# Altium PCB UmTRXv21.PcbDoc (part 14 of 19) (continued)
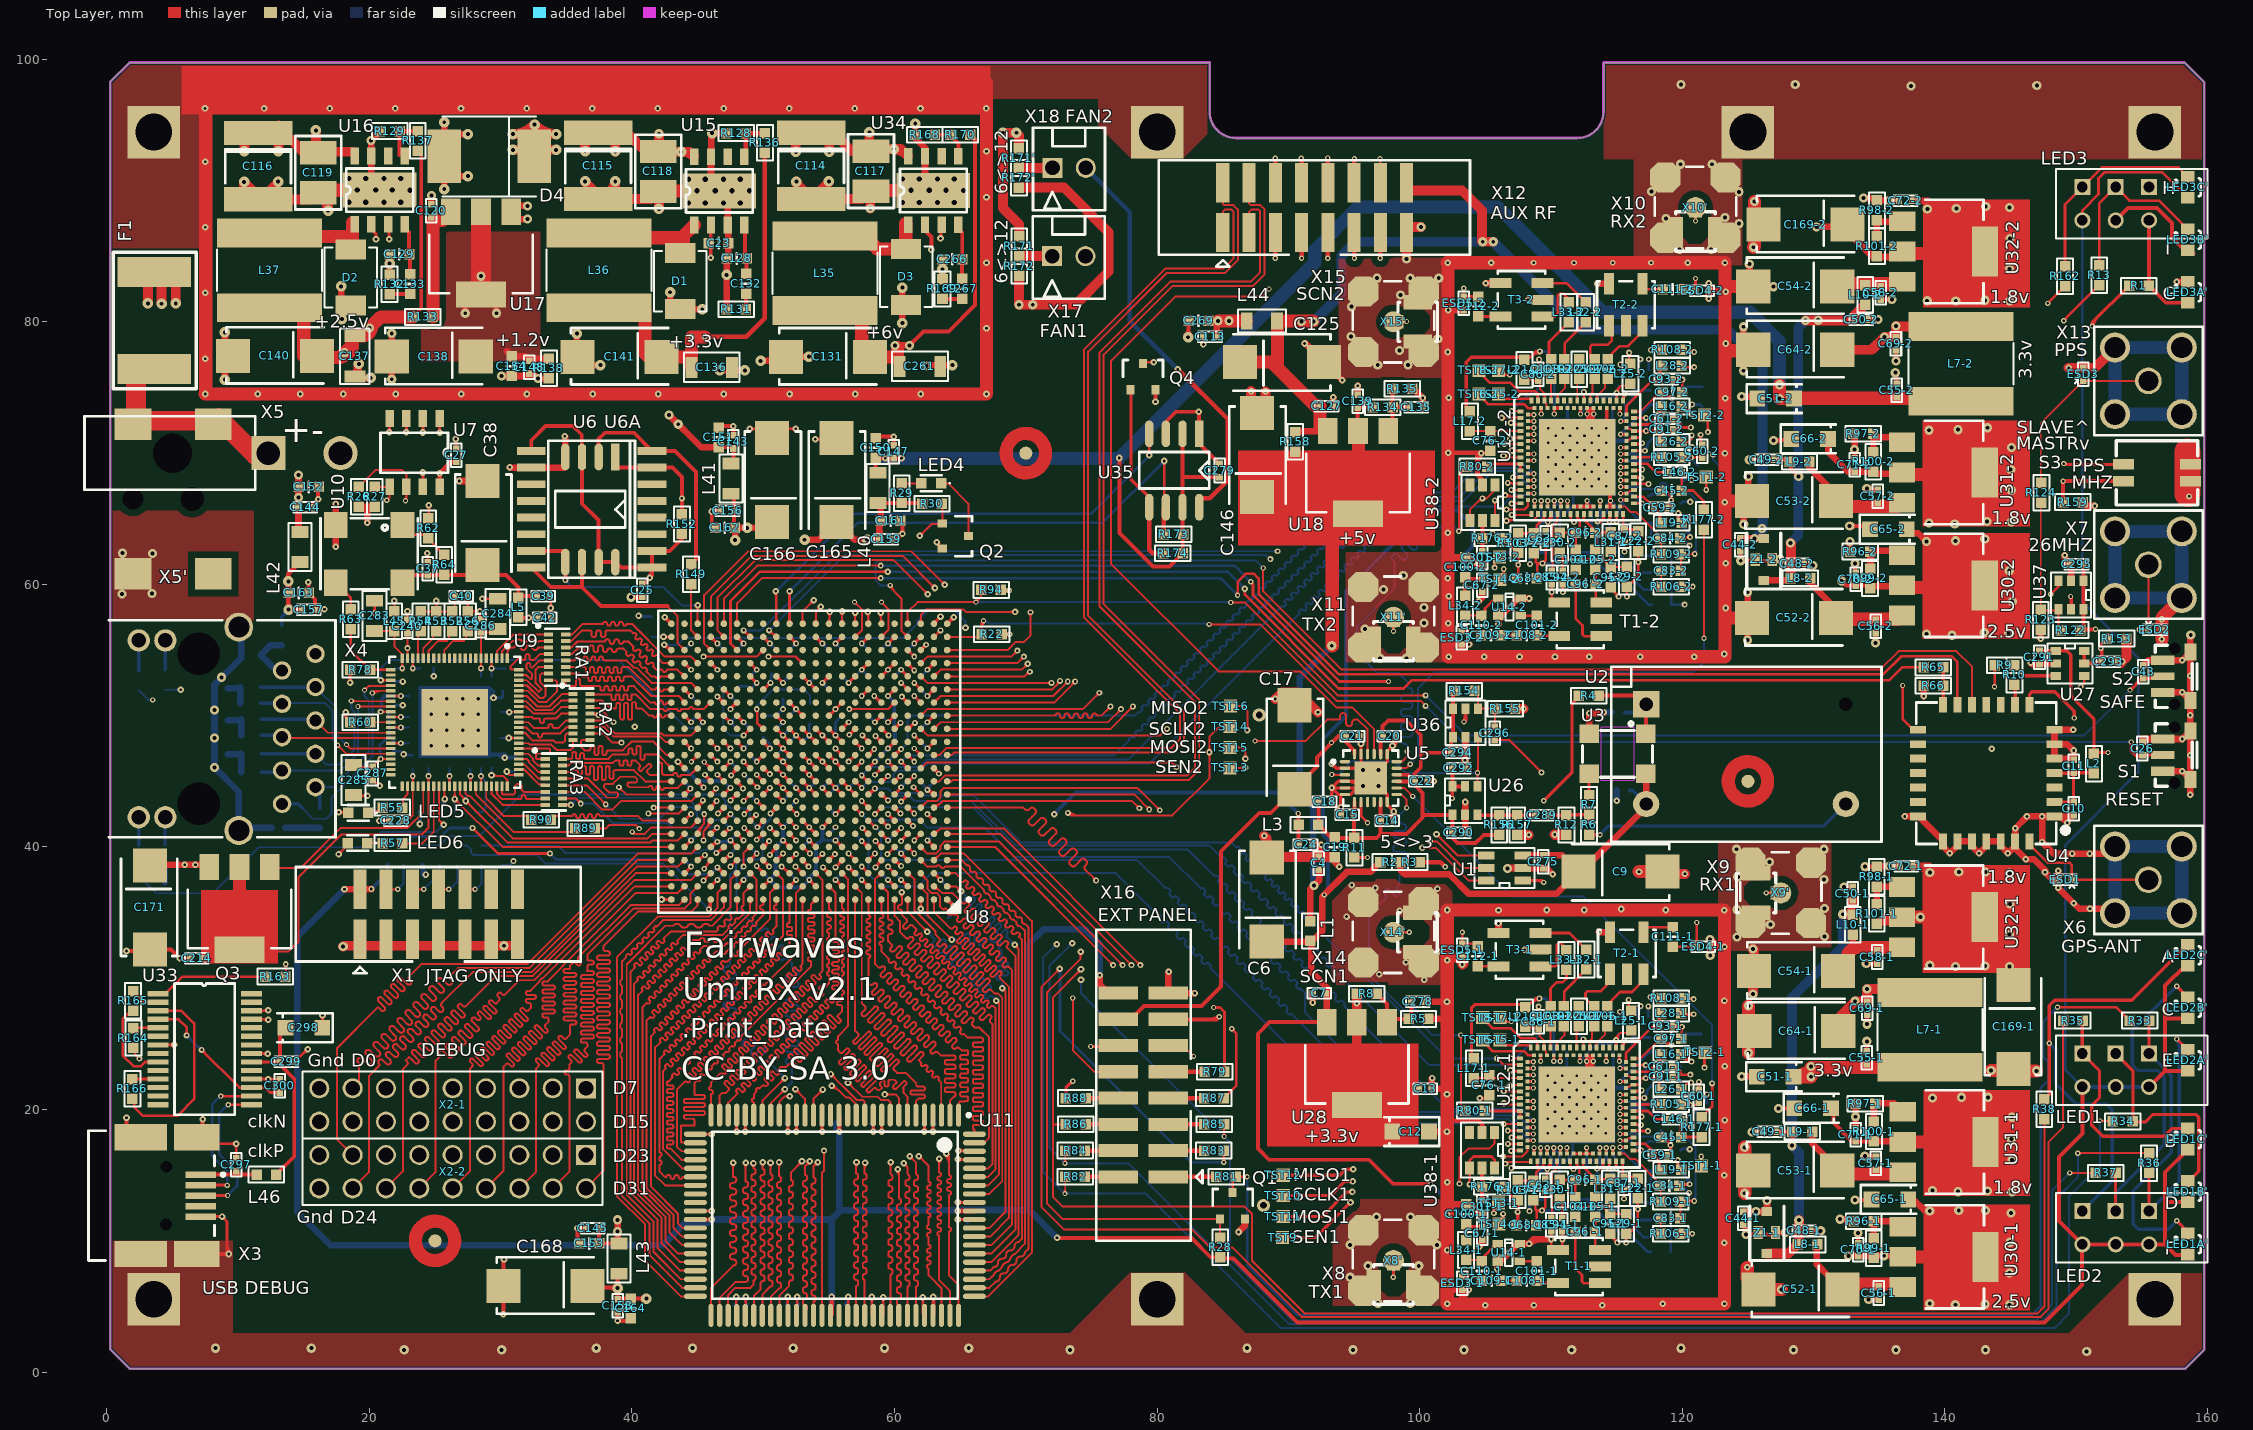
[diagram p0: Top Layer view]
## Nets (pads, with @x,y where several pads share a name; then routed paths per layer and width w, separated by ;. In a path a pad name is that pad's centre, name@x,y a point inside that pad or via, vN(x,y) a via of type N, cw(c..) or ccw(c..) an arc to the next point about the centre after c; other vN are vias at no path point) (continued)
RAM_D33: U8.B10 U11.28 | length 40.5
  Top Layer w0.15: U11.28@47.325,19.575 47.325,20.525 ; 48.812,22.196 cw(c48.897,22.281) 48.812,22.365 48.854,22.408 cw(c48.939,22.323) 49.024,22.408 49.208,22.224 ccw(c49.293,22.309) 49.378,22.224 49.42,22.266 ccw(c49.335,22.351) 49.42,22.436 49.236,22.62 cw(c49.321,22.705) 49.236,22.79 ; 48.812,22.196 48.904,22.104 48.996,22.012 cw(c48.911,21.927) 48.996,21.842 48.953,21.8 cw(c48.869,21.885) 48.784,21.8 48.6,21.984 ccw(c48.515,21.899) 48.43,21.984 48.388,21.941 ccw(c48.473,21.856) 48.388,21.772 48.572,21.588 cw(c48.487,21.503) 48.572,21.418 48.529,21.376 cw(c48.444,21.46) 48.359,21.376 48.176,21.559 ccw(c48.091,21.475) 48.006,21.56 47.963,21.517 ccw(c48.048,21.432) 47.963,21.347 48.055,21.255 47.546,20.746 ; 49.236,22.79 49.279,22.832 cw(c49.363,22.747) 49.448,22.832 ; 49.448,22.832 49.54,22.74 49.632,22.648 ; 49.632,22.648 ccw(c49.717,22.733) 49.802,22.648 ; 49.802,22.648 49.844,22.691 ccw(c49.759,22.776) 49.844,22.86 ; 49.844,22.86 49.66,23.044 cw(c49.745,23.129) 49.66,23.214 49.703,23.256 cw(c49.788,23.172) 49.872,23.257 49.965,23.165 50.056,23.073 ; 50.057,23.072 ccw(c50.141,23.157) 50.226,23.073 50.269,23.115 ; 50.269,23.115 ccw(c50.184,23.2) 50.269,23.285 50.085,23.469 cw(c50.17,23.553) 50.085,23.638 50.127,23.681 cw(c50.212,23.596) 50.297,23.681 ; 50.297,23.681 50.481,23.497 ccw(c50.566,23.582) 50.65,23.497 50.693,23.539 ccw(c50.608,23.624) 50.693,23.709 50.601,23.801 50.509,23.893 ; 50.509,23.893 cw(c50.594,23.978) 50.509,24.063 50.551,24.105 cw(c50.636,24.02) 50.721,24.105 50.905,23.921 ccw(c50.99,24.006) 51.075,23.921 51.117,23.964 ccw(c51.032,24.048) 51.117,24.133 50.933,24.317 cw(c51.018,24.402) 50.933,24.487 50.976,24.529 cw(c51.061,24.444) 51.145,24.529 51.329,24.345 ccw(c51.414,24.43) 51.499,24.345 51.541,24.388 ccw(c51.457,24.473) 51.542,24.557 51.358,24.741 cw(c51.442,24.826) 51.358,24.911 51.4,24.953 cw(c51.485,24.869) 51.569,24.954 51.662,24.862 51.753,24.77 ccw(c51.838,24.854) 51.923,24.77 51.966,24.812 ccw(c51.881,24.897) 51.966,24.982 51.782,25.166 cw(c51.867,25.25) 51.782,25.335 51.824,25.378 cw(c51.909,25.293) 51.994,25.378 52.178,25.194 ccw(c52.263,25.279) 52.347,25.194 52.39,25.236 ccw(c52.305,25.321) 52.39,25.406 52.298,25.498 52.206,25.59 cw(c52.291,25.675) 52.206,25.759 52.248,25.802 cw(c52.333,25.717) 52.418,25.802 52.602,25.618 ccw(c52.687,25.703) 52.772,25.618 52.814,25.661 ; 52.814,25.661 ccw(c52.729,25.745) 52.814,25.83 52.722,25.922 52.63,26.014 cw(c52.715,26.099) 52.63,26.184 52.673,26.226 cw(c52.758,26.141) 52.842,26.226 53.026,26.042 ccw(c53.111,26.127) 53.196,26.042 ; 53.196,26.042 53.238,26.085 ccw(c53.154,26.17) 53.239,26.254 53.055,26.438 cw(c53.139,26.523) 53.054,26.608 53.097,26.651 cw(c53.182,26.566) 53.267,26.651 53.359,26.559 53.451,26.467 ccw(c53.535,26.552) 53.62,26.467 53.663,26.509 ccw(c53.578,26.594) 53.663,26.679 53.479,26.863 cw(c53.564,26.948) 53.479,27.032 53.521,27.075 cw(c53.606,26.99) 53.691,27.075 53.875,26.891 ccw(c53.96,26.976) 54.044,26.891 54.087,26.933 ccw(c54.002,27.018) 54.087,27.103 53.995,27.195 53.903,27.287 cw(c53.988,27.372) 53.903,27.456 53.946,27.499 cw(c54.03,27.414) 54.115,27.499 54.299,27.315 ccw(c54.384,27.4) 54.469,27.315 54.511,27.358 ccw(c54.426,27.442) 54.511,27.527 54.419,27.619 54.327,27.711 cw(c54.412,27.796) 54.327,27.881 54.37,27.923 cw(c54.455,27.838) 54.539,27.923 54.723,27.739 ccw(c54.808,27.824) 54.893,27.739 54.935,27.782 ccw(c54.851,27.867) 54.936,27.951 54.752,28.135 cw(c54.836,28.22) 54.751,28.305 54.794,28.348 cw(c54.879,28.263) 54.964,28.348 55.056,28.256 55.148,28.164 ccw(c55.232,28.249) 55.317,28.164 55.36,28.206 ccw(c55.275,28.291) 55.36,28.376 55.353,28.383 cw(c55.438,28.468) 55.353,28.553 55.5,28.7 55.5,29.03 ccw(c55.38,29.03) 55.38,29.15 55.37,29.15 cw(c55.37,29.27) 55.25,29.27 55.25,29.33 cw(c55.37,29.33) 55.37,29.45 55.63,29.45 ccw(c55.63,29.57) 55.75,29.57 55.75,29.63 ccw(c55.63,29.63) 55.63,29.75 55.37,29.75 cw(c55.37,29.87) 55.25,29.87 55.25,29.93 cw(c55.37,29.93) 55.37,30.05 55.63,30.05 ccw(c55.63,30.17) 55.75,30.17 55.75,30.23 ccw(c55.63,30.23) 55.63,30.35 55.37,30.35 cw(c55.37,30.47) 55.25,30.47 55.25,30.53 cw(c55.37,30.53) 55.37,30.65 55.63,30.65 ccw(c55.63,30.77) 55.75,30.77 55.75,30.83 ccw(c55.63,30.83) 55.63,30.95 55.37,30.95 cw(c55.37,31.07) 55.25,31.07 55.25,31.13 cw(c55.37,31.13) 55.37,31.25 55.63,31.25 ccw(c55.63,31.37) 55.75,31.37 55.75,31.43 ccw(c55.63,31.43) 55.63,31.55 55.37,31.55 cw(c55.37,31.67) 55.25,31.67 55.25,31.73 cw(c55.37,31.73) 55.37,31.85 55.63,31.85 ccw(c55.63,31.97) 55.75,31.97 55.75,32.03 ccw(c55.63,32.03) 55.63,32.15 55.37,32.15 cw(c55.37,32.27) 55.25,32.27 55.25,32.33 cw(c55.37,32.33) 55.37,32.45 55.63,32.45 ccw(c55.63,32.57) 55.75,32.57 55.75,32.63 ccw(c55.63,32.63) 55.63,32.75 55.37,32.75 cw(c55.37,32.87) 55.25,32.87 55.25,32.93 cw(c55.37,32.93) 55.37,33.05 55.38,33.05 ccw(c55.38,33.17) 55.5,33.17 55.5,36.5 U8.B10@55,37 ; U8.B10@55,36.825 cw(c55,36.403) 55.299,36.701 cw(c55.597,37) U8.B10@55.175,37 ; 47.325,20.525 47.546,20.746 ; 47.325,20.525 47.546,20.746
RAM_D34: U8.A10 U11.29 | length 40.1
  Top Layer w0.15: U11.29@46.675,19.575 46.675,21.075 46.85,21.25 47.125,21.25 47.375,21.5 47.375,21.636 47.078,21.933 cw(c47.163,22.017) 47.078,22.102 47.12,22.145 cw(c47.205,22.06) 47.29,22.145 47.417,22.017 47.545,21.89 ; 47.545,21.89 ccw(c47.63,21.975) 47.714,21.89 47.757,21.933 ccw(c47.672,22.017) 47.757,22.102 ; 47.757,22.102 47.63,22.23 47.502,22.357 cw(c47.587,22.442) 47.502,22.526 47.545,22.569 cw(c47.63,22.484) 47.714,22.569 47.969,22.314 ccw(c48.054,22.399) 48.139,22.314 48.181,22.357 ccw(c48.096,22.442) 48.181,22.526 48.054,22.654 47.927,22.781 cw(c48.011,22.866) 47.927,22.951 47.969,22.993 cw(c48.054,22.908) 48.139,22.993 48.393,22.739 ccw(c48.478,22.824) 48.563,22.739 48.605,22.781 ccw(c48.521,22.866) 48.606,22.951 48.351,23.205 cw(c48.436,23.29) 48.351,23.375 48.393,23.418 cw(c48.478,23.333) 48.563,23.418 48.69,23.29 48.818,23.163 ccw(c48.902,23.248) 48.987,23.163 49.03,23.205 ccw(c48.945,23.29) 49.03,23.375 48.775,23.63 ; 48.775,23.63 cw(c48.86,23.715) 48.775,23.799 48.818,23.842 cw(c48.902,23.757) 48.987,23.842 ; 48.987,23.842 49.115,23.715 49.242,23.587 ccw(c49.327,23.672) 49.412,23.587 49.454,23.63 ccw(c49.369,23.715) 49.454,23.799 49.199,24.054 ; 49.199,24.054 cw(c49.284,24.139) 49.199,24.224 49.242,24.266 cw(c49.327,24.181) 49.411,24.266 ; 49.411,24.266 49.666,24.011 ccw(c49.751,24.096) 49.836,24.011 49.878,24.054 ccw(c49.793,24.139) 49.878,24.223 49.751,24.351 49.624,24.478 ; 49.623,24.478 cw(c49.708,24.563) 49.624,24.648 49.666,24.69 cw(c49.751,24.605) 49.836,24.69 ; 49.836,24.69 50.09,24.436 ccw(c50.175,24.521) 50.26,24.436 50.302,24.478 ccw(c50.218,24.563) 50.303,24.648 50.175,24.775 50.048,24.902 ; 50.048,24.903 cw(c50.133,24.987) 50.048,25.072 50.09,25.115 cw(c50.175,25.03) 50.26,25.115 ; 50.26,25.115 50.387,24.987 50.515,24.86 ccw(c50.599,24.945) 50.684,24.86 50.727,24.902 ccw(c50.642,24.987) 50.727,25.072 50.472,25.327 cw(c50.557,25.412) 50.472,25.496 50.515,25.539 cw(c50.599,25.454) 50.684,25.539 50.812,25.412 50.939,25.284 ccw(c51.024,25.369) 51.109,25.284 51.151,25.327 ccw(c51.066,25.412) 51.151,25.496 50.896,25.751 cw(c50.981,25.836) 50.896,25.921 50.939,25.963 cw(c51.024,25.878) 51.108,25.963 51.363,25.709 ccw(c51.448,25.793) 51.533,25.709 51.575,25.751 ccw(c51.49,25.836) 51.575,25.921 51.448,26.048 51.321,26.175 cw(c51.406,26.26) 51.321,26.345 51.363,26.387 cw(c51.448,26.303) 51.533,26.388 51.787,26.133 ; 51.788,26.133 ccw(c51.872,26.218) 51.957,26.133 52,26.175 ccw(c51.915,26.26) 52,26.345 ; 52,26.345 51.872,26.472 51.745,26.6 cw(c51.83,26.684) 51.745,26.769 51.787,26.812 cw(c51.872,26.727) 51.957,26.812 52.084,26.684 52.212,26.557 ccw(c52.296,26.642) 52.381,26.557 52.424,26.6 ccw(c52.339,26.684) 52.424,26.769 ; 52.424,26.769 52.169,27.024 cw(c52.254,27.109) 52.169,27.193 52.212,27.236 cw(c52.296,27.151) 52.381,27.236 52.509,27.109 52.636,26.981 ccw(c52.721,27.066) 52.806,26.981 52.848,27.024 ccw(c52.763,27.109) 52.848,27.193 52.593,27.448 cw(c52.678,27.533) 52.593,27.618 52.636,27.66 cw(c52.721,27.575) 52.806,27.66 52.933,27.533 53.06,27.406 ccw(c53.145,27.49) 53.23,27.406 53.272,27.448 ccw(c53.187,27.533) 53.272,27.618 53.145,27.745 53.018,27.872 cw(c53.103,27.957) 53.018,28.042 53.06,28.084 cw(c53.145,28) 53.23,28.085 53.484,27.83 ccw(c53.569,27.915) 53.654,27.83 53.697,27.872 ccw(c53.612,27.957) 53.697,28.042 ; 53.697,28.042 53.569,28.169 53.442,28.297 cw(c53.527,28.381) 53.442,28.466 53.484,28.509 cw(c53.569,28.424) 53.654,28.509 53.909,28.254 ; 53.909,28.254 ccw(c53.994,28.339) 54.078,28.254 54.121,28.297 ccw(c54.036,28.381) 54.121,28.466 ; 54.121,28.466 53.866,28.721 cw(c53.951,28.806) 53.866,28.89 53.909,28.933 cw(c53.994,28.848) 54.078,28.933 54.206,28.806 54.333,28.678 ccw(c54.418,28.763) 54.503,28.678 54.545,28.721 ccw(c54.46,28.806) 54.545,28.89 54.291,29.145 cw(c54.375,29.23) 54.291,29.315 54.333,29.357 cw(c54.418,29.272) 54.503,29.357 54.545,29.315 ccw(c54.63,29.4) 54.715,29.315 55,29.6 55,30.225 cw(c55,30.375) 55,30.525 55,30.825 cw(c55,30.975) 55,31.125 55,31.425 cw(c55,31.575) 55,31.725 55,32.2 cw(c55,32.35) 55,32.5 55,32.8 cw(c55,32.95) 55,33.1 55,33.45 cw(c55,33.6) 55,33.75 ccw(c55,33.9) 55,34.05 cw(c55,34.2) 55,34.35 ccw(c55,34.5) 55,34.65 cw(c55,34.8) 55,34.95 ccw(c55,35.1) 55,35.25 U8.A10@55,36 ; U8.A10@54.876,35.876 cw(c54.578,35.578) 55,35.578 cw(c55.422,35.578) U8.A10@55.124,35.876
RAM_D35: U8.C11 U11.30 | length 40.6
  Top Layer w0.15: U11.30@46.025,19.575 46.025,21.175 ccw(c46.025,21.325) 46.025,21.475 cw(c46.025,21.625) 46.025,21.775 46.025,22.075 46.237,22.287 ccw(c46.343,22.393) 46.449,22.499 46.692,22.742 46.947,22.742 ccw(c47.031,22.827) 47.116,22.742 47.159,22.784 ccw(c47.074,22.869) 47.159,22.954 46.904,23.209 cw(c46.989,23.294) 46.904,23.378 46.947,23.421 cw(c47.031,23.336) 47.116,23.421 47.371,23.166 ccw(c47.456,23.251) 47.541,23.166 47.583,23.209 ccw(c47.498,23.294) 47.583,23.378 47.456,23.506 47.328,23.633 cw(c47.413,23.718) 47.328,23.803 47.371,23.845 cw(c47.456,23.76) 47.54,23.845 47.795,23.591 ccw(c47.88,23.675) 47.965,23.591 48.007,23.633 ccw(c47.922,23.718) 48.007,23.803 ; 47.965,24.27 ccw(c47.88,24.185) 47.795,24.269 47.753,24.227 ccw(c47.838,24.142) 47.753,24.057 47.88,23.93 48.007,23.803 ; 47.965,24.269 48.092,24.142 48.219,24.015 ccw(c48.304,24.1) 48.389,24.015 ; 48.177,24.482 cw(c48.262,24.566) 48.177,24.651 48.219,24.694 cw(c48.304,24.609) 48.389,24.694 ; 48.177,24.482 48.432,24.227 ; 48.389,24.015 48.432,24.057 ccw(c48.347,24.142) 48.432,24.227 ; 48.389,24.694 48.516,24.566 48.644,24.439 ; 48.601,24.906 cw(c48.686,24.991) 48.601,25.075 48.644,25.118 cw(c48.729,25.033) 48.813,25.118 48.941,24.991 49.068,24.863 ccw(c49.153,24.948) 49.238,24.863 49.28,24.906 ccw(c49.195,24.991) 49.28,25.075 49.153,25.203 49.025,25.33 cw(c49.11,25.415) 49.025,25.5 49.068,25.542 cw(c49.153,25.457) 49.237,25.542 49.492,25.288 ccw(c49.577,25.372) 49.662,25.288 49.704,25.33 ccw(c49.619,25.415) 49.704,25.5 49.577,25.627 49.45,25.754 cw(c49.535,25.839) 49.45,25.924 49.492,25.966 cw(c49.577,25.882) 49.662,25.966 49.916,25.712 ccw(c50.001,25.797) 50.086,25.712 50.129,25.754 ccw(c50.044,25.839) 50.129,25.924 49.874,26.179 cw(c49.959,26.263) 49.874,26.348 49.916,26.391 cw(c50.001,26.306) 50.086,26.391 50.213,26.263 50.341,26.136 ccw(c50.426,26.221) 50.51,26.136 50.553,26.179 ccw(c50.468,26.263) 50.553,26.348 50.298,26.603 cw(c50.383,26.688) 50.298,26.773 50.341,26.815 cw(c50.426,26.73) 50.51,26.815 50.638,26.688 50.765,26.56 ccw(c50.85,26.645) 50.935,26.56 50.977,26.603 ccw(c50.892,26.688) 50.977,26.772 50.85,26.9 50.723,27.027 ; 48.601,24.906 48.856,24.651 cw(c48.771,24.566) 48.856,24.482 48.813,24.439 cw(c48.729,24.524) 48.644,24.439 ; 50.722,27.027 cw(c50.807,27.112) 50.723,27.197 50.765,27.239 cw(c50.85,27.154) 50.935,27.239 ; 50.935,27.239 51.189,26.985 ; 51.147,27.451 51.274,27.324 51.401,27.197 ; 51.147,27.452 cw(c51.232,27.536) 51.147,27.621 51.189,27.664 ; 51.189,26.985 ccw(c51.274,27.07) 51.359,26.985 51.401,27.027 ccw(c51.317,27.112) 51.402,27.197 ; 51.189,27.664 cw(c51.274,27.579) 51.359,27.664 51.614,27.409 ; 51.614,27.409 ccw(c51.698,27.494) 51.783,27.409 51.826,27.451 ccw(c51.741,27.536) 51.826,27.621 51.571,27.876 cw(c51.656,27.96) 51.571,28.045 51.614,28.088 cw(c51.698,28.003) 51.783,28.088 51.91,27.96 52.038,27.833 ccw(c52.123,27.918) 52.207,27.833 52.25,27.876 ccw(c52.165,27.96) 52.25,28.045 51.995,28.3 cw(c52.08,28.385) 51.995,28.47 52.038,28.512 cw(c52.123,28.427) 52.207,28.512 52.335,28.385 52.462,28.257 ccw(c52.547,28.342) 52.632,28.257 52.674,28.3 ccw(c52.589,28.385) 52.674,28.47 52.42,28.724 cw(c52.504,28.809) 52.42,28.894 52.462,28.936 cw(c52.547,28.851) 52.632,28.936 52.886,28.682 ccw(c52.971,28.767) 53.056,28.682 53.098,28.724 ccw(c53.014,28.809) 53.099,28.894 52.971,29.021 52.844,29.148 cw(c52.929,29.233) 52.844,29.318 52.886,29.361 cw(c52.971,29.276) 53.056,29.361 53.311,29.106 ccw(c53.395,29.191) 53.48,29.106 53.523,29.148 ccw(c53.438,29.233) 53.523,29.318 53.395,29.445 53.268,29.573 cw(c53.353,29.658) 53.268,29.742 53.311,29.785 cw(c53.395,29.7) 53.48,29.785 53.608,29.658 53.735,29.53 ccw(c53.82,29.615) 53.905,29.53 53.947,29.573 ccw(c53.862,29.658) 53.947,29.742 53.692,29.997 cw(c53.777,30.082) 53.692,30.167 53.735,30.209 cw(c53.82,30.124) 53.904,30.209 54.032,30.082 54.159,29.955 ccw(c54.244,30.039) 54.329,29.955 54.371,29.997 ccw(c54.286,30.082) 54.371,30.167 54.329,30.209 cw(c54.414,30.294) 54.329,30.379 ; U8.C11@54,37.825 cw(c54,37.403) 54.299,37.701 cw(c54.597,38) U8.C11@54.175,38 ; U8.C11@54.025,38.025 54.025,37.975 54.5,37.5 54.5,30.55 54.329,30.379
RAM_LDN: U8.B1 U11.85 | length 43.2
  Top Layer w0.15: U8.B1@64,37 64.7,37 v2(65.06,36.64) ; U8.B1@64.124,36.876 cw(c64.422,36.578) 64.422,37 cw(c64.422,37.422) U8.B1@64.124,37.124 ; v2@64.885,36.64 ccw(c64.463,36.64) 64.762,36.938 ccw(c65.06,37.237) v2@65.06,36.815 ; U11.85@66.075,8.375 67.375,8.375 69.45,10.45 69.45,32.25 v2(69.15,32.55) ; v2@69.15,32.375 cw(c69.15,31.953) 69.449,32.251 cw(c69.747,32.55) v2@69.325,32.55
  Bottom Layer w0.15: v2(65.06,36.64) 65.35,36.35 ; v2@65.064,36.465 cw(c65.073,36.073) 65.35,36.35 ; v2@65.235,36.636 ccw(c65.627,36.627) 65.35,36.35 ; v2@68.975,32.55 ccw(c68.553,32.55) 68.851,32.849 ccw(c69.15,33.147) v2@69.15,32.725 ; v2(69.15,32.55) 68.55,33.15 cw(c68.656,33.256) 68.55,33.363 68.567,33.38 ccw(c68.444,33.504) 68.567,33.628 ccw(c68.444,33.504) 68.32,33.628 68.072,33.38 cw(c67.949,33.504) 67.825,33.38 cw(c67.949,33.504) 67.825,33.628 68.072,33.875 ccw(c67.949,33.999) 68.072,34.123 ccw(c67.949,33.999) 67.825,34.123 67.701,33.999 67.577,33.875 cw(c67.454,33.999) 67.33,33.875 cw(c67.454,33.999) 67.33,34.123 67.577,34.37 ccw(c67.454,34.494) 67.577,34.618 ccw(c67.454,34.494) 67.33,34.618 67.082,34.37 cw(c66.959,34.494) 66.835,34.37 cw(c66.959,34.494) 66.835,34.618 67.082,34.865 ccw(c66.959,34.989) 67.082,35.113 ccw(c66.959,34.989) 66.835,35.113 66.587,34.865 cw(c66.464,34.989) 66.34,34.865 cw(c66.464,34.989) 66.34,35.113 66.587,35.36 ccw(c66.464,35.484) 66.587,35.608 ccw(c66.464,35.484) 66.34,35.608 66.092,35.36 cw(c65.969,35.484) 65.845,35.36 cw(c65.969,35.484) 65.845,35.608 66.092,35.855 ccw(c65.969,35.979) 66.092,36.103 ccw(c65.969,35.979) 65.845,36.103 65.597,35.855 cw(c65.474,35.979) 65.35,35.855 cw(c65.474,35.979) 65.35,36.103 ccw(c65.226,36.226) 65.35,36.35
RAM_OEN: U8.B2 U11.86 | length 40.8
  Top Layer w0.15: U8.B2@63,36.825 cw(c63,36.153) 63.476,36.628 ; U8.B2@63,37 63.104,37 63.604,36.5 64.4,36.5 65.145,35.755 ccw(c65.269,35.879) 65.392,35.755 cw(c65.516,35.631) 65.64,35.755 cw(c65.516,35.631) 65.64,35.508 65.392,35.26 ccw(c65.516,35.136) 65.392,35.013 ccw(c65.516,35.136) 65.64,35.013 65.887,35.26 cw(c66.011,35.136) 66.135,35.26 cw(c66.011,35.136) 66.135,35.013 65.887,34.765 ccw(c66.011,34.641) 65.887,34.518 ccw(c66.011,34.641) 66.135,34.518 66.382,34.765 cw(c66.506,34.641) 66.63,34.765 cw(c66.506,34.641) 66.63,34.518 66.382,34.27 ccw(c66.506,34.146) 66.382,34.023 ccw(c66.506,34.146) 66.63,34.023 66.877,34.27 cw(c67.001,34.146) 67.125,34.27 cw(c67.001,34.146) 67.125,34.023 67.001,33.899 66.877,33.775 ccw(c67.001,33.651) 66.877,33.528 ccw(c67.001,33.651) 67.125,33.528 67.372,33.775 cw(c67.496,33.651) 67.62,33.775 cw(c67.496,33.651) 67.62,33.528 67.372,33.28 ccw(c67.496,33.156) 67.372,33.033 ccw(c67.496,33.156) 67.62,33.033 67.867,33.28 cw(c67.991,33.156) 68.115,33.28 cw(c67.991,33.156) 68.115,33.033 67.867,32.785 ccw(c67.991,32.661) 67.867,32.538 ccw(c67.991,32.661) 68.115,32.538 68.362,32.785 cw(c68.486,32.661) 68.61,32.785 cw(c68.486,32.661) 68.61,32.538 68.575,32.503 ccw(c68.664,32.414) 68.575,32.325 69.2,31.7 69.2,10.85 67.375,9.025 U11.86@66.075,9.025 ; U8.B2@63.175,37 ccw(c63.347,37) 63.226,36.878
RAM_WEN: U8.A2 U11.88 | length 41
  Top Layer w0.15: U8.A2@62.876,35.876 cw(c62.578,35.578) 63,35.578 cw(c63.422,35.578) U8.A2@63.124,35.876 ; U8.A2@63,36 63,35.05 64.232,33.818 ccw(c64.338,33.924) 64.444,33.818 64.514,33.889 cw(c64.62,33.783) 64.727,33.889 cw(c64.62,33.783) 64.727,33.677 64.656,33.606 ccw(c64.762,33.5) 64.656,33.394 ccw(c64.762,33.5) 64.868,33.394 64.939,33.465 cw(c65.045,33.359) 65.151,33.465 cw(c65.045,33.359) 65.151,33.253 64.974,33.076 64.797,32.899 ccw(c64.903,32.793) 64.797,32.687 ccw(c64.903,32.793) 65.009,32.687 65.186,32.864 65.363,33.041 cw(c65.469,32.934) 65.575,33.04 cw(c65.469,32.934) 65.575,32.828 65.398,32.652 65.222,32.475 ccw(c65.328,32.369) 65.222,32.263 ccw(c65.328,32.369) 65.434,32.263 65.61,32.44 65.787,32.616 cw(c65.893,32.51) 65.999,32.616 cw(c65.893,32.51) 65.999,32.404 65.646,32.051 ccw(c65.752,31.945) 65.646,31.839 ccw(c65.752,31.945) 65.858,31.839 66.035,32.015 66.211,32.192 cw(c66.318,32.086) 66.424,32.192 cw(c66.318,32.086) 66.424,31.98 66.247,31.803 66.07,31.626 ccw(c66.176,31.52) 66.07,31.414 ccw(c66.176,31.52) 66.282,31.414 66.459,31.591 66.636,31.768 cw(c66.742,31.662) 66.848,31.768 cw(c66.742,31.662) 66.848,31.556 66.671,31.379 66.494,31.202 ccw(c66.6,31.096) 66.494,30.99 ccw(c66.6,31.096) 66.707,30.99 67.06,31.343 cw(c67.166,31.237) 67.272,31.343 cw(c67.166,31.237) 67.272,31.131 67.095,30.955 66.92,30.779 ccw(c67.026,30.673) 66.92,30.567 ccw(c67.026,30.673) 67.132,30.567 67.308,30.742 67.484,30.919 cw(c67.59,30.813) 67.696,30.919 cw(c67.59,30.813) 67.696,30.707 67.344,30.355 ccw(c67.45,30.249) 67.344,30.143 ccw(c67.45,30.249) 67.556,30.143 67.732,30.318 67.909,30.495 cw(c68.015,30.389) 68.121,30.495 cw(c68.015,30.389) 68.121,30.283 68.05,30.212 ccw(c68.156,30.106) 68.05,30 68.375,29.675 68.7,29.351 68.7,11.75 67.275,10.325 U11.88@66.075,10.325
RAM_ZZ: U8.F16 U11.64 | length 46
  Top Layer w0.15: v1@48.55,41.3 cw(c48.55,40.938) 48.806,41.194 cw(c49.062,41.45) v1@48.7,41.45 ; v1(48.55,41.45) U8.F16@49,41 ; v1@48.608,41.308 cw(c48.387,40.925) U8.F16@48.826,40.979 ; v1@48.692,41.392 ccw(c49.075,41.613) U8.F16@49.021,41.174 ; 48.771,41.214 cw(c48.702,41.095) U8.F16@48.833,41.053 ; 48.786,41.229 ccw(c48.905,41.298) U8.F16@48.947,41.167 ; U8.F16@48.825,41 ccw(c48.403,41) 48.701,41.299 ccw(c49,41.597) U8.F16@49,41.175 ; U11.64@54.475,4.325 54.475,15.2 54.625,15.35 v1(54.625,16.875) ; v1@54.519,16.769 cw(c54.263,16.513) 54.625,16.513 cw(c54.987,16.513) v1@54.731,16.769 ; 48.813,41.182 cw(c48.657,41.092) 48.831,41.045 ccw(c48.657,41.092) 48.813,41.182 ; 48.818,41.187 ccw(c48.908,41.343) 48.955,41.169 cw(c48.908,41.343) 48.818,41.187
  Mid-Layer 2 w0.15: v1@48.55,41.3 cw(c48.55,40.817) 48.891,41.159 ; v1(48.55,41.45) 48.55,41.5 48.95,41.1 48.95,40.384 47.925,39.359 47.925,23.975 54.625,17.275 v1(54.625,16.875) ; v1@48.7,41.45 ccw(c48.941,41.45) 48.771,41.279 ; v1@54.519,16.981 ccw(c54.263,17.237) 54.625,17.237 ccw(c54.987,17.237) v1@54.731,16.981
RX1D0: U8.J1 U12-1.15 | length 66.3
  Top Layer w0.15: U8.J1@64,44 78.25,44 v1(79.4,42.85) ; U8.J1@64.124,43.876 cw(c64.422,43.578) 64.422,44 cw(c64.422,44.422) U8.J1@64.124,44.124 ; v1@79.25,42.85 ccw(c78.888,42.85) 79.144,43.106 ccw(c79.4,43.362) v1@79.4,43 ; v2(106.405,20.476) 106.493,20.388 U12-1.15@107.632,20.388 ; v2@106.423,20.494 ccw(c106.678,20.749) 106.678,20.388 ; v2@106.529,20.6 ccw(c107.04,21.111) 107.04,20.388
  MidLayer1 w0.15: v1@79.4,42.7 cw(c79.4,42.338) 79.656,42.594 cw(c79.912,42.85) v1@79.55,42.85 ; v1(79.4,42.85) 80.45,41.8 84.35,41.8 84.795,41.355 ccw(c84.809,41.369) 84.823,41.355 cw(c84.951,41.228) 85.078,41.355 85.141,41.291 cw(c85.014,41.164) 85.141,41.037 85.127,41.023 85.113,41.009 ccw(c85.24,40.881) 85.113,40.754 85.177,40.69 ccw(c85.304,40.818) 85.431,40.69 85.445,40.705 85.46,40.719 cw(c85.587,40.591) 85.714,40.719 85.778,40.655 cw(c85.651,40.528) 85.778,40.4 85.764,40.386 85.75,40.372 ccw(c85.877,40.245) 85.75,40.118 85.813,40.054 ccw(c85.94,40.181) 86.068,40.054 86.082,40.068 86.096,40.082 cw(c86.223,39.955) 86.351,40.082 86.414,40.019 cw(c86.287,39.891) 86.414,39.764 86.4,39.75 86.386,39.736 ccw(c86.513,39.608) 86.386,39.481 86.45,39.418 ccw(c86.577,39.545) 86.704,39.418 86.718,39.432 86.732,39.446 cw(c86.86,39.319) 86.987,39.446 87.051,39.382 cw(c86.923,39.255) 87.051,39.128 87.036,39.114 87.022,39.099 ccw(c87.15,38.972) 87.022,38.845 87.086,38.781 ccw(c87.213,38.908) 87.341,38.781 87.355,38.795 87.369,38.809 cw(c87.496,38.682) 87.623,38.809 87.687,38.746 cw(c87.56,38.619) 87.687,38.491 87.673,38.477 87.659,38.463 ccw(c87.786,38.336) 87.659,38.208 87.722,38.145 ccw(c87.85,38.272) 87.977,38.145 87.991,38.159 88.005,38.173 cw(c88.132,38.046) 88.26,38.173 88.323,38.109 cw(c88.196,37.982) 88.323,37.855 88.309,37.841 88.295,37.827 ccw(c88.422,37.699) 88.295,37.572 88.359,37.508 ccw(c88.486,37.636) 88.613,37.508 88.627,37.523 88.642,37.537 cw(c88.769,37.409) 88.896,37.537 88.96,37.473 cw(c88.833,37.346) 88.96,37.218 88.946,37.204 88.932,37.19 ccw(c89.059,37.063) 88.932,36.936 88.995,36.872 ccw(c89.122,36.999) 89.25,36.872 89.264,36.886 89.278,36.9 cw(c89.405,36.773) 89.533,36.9 89.596,36.837 cw(c89.469,36.709) 89.596,36.582 89.582,36.568 89.568,36.554 ccw(c89.695,36.427) 89.568,36.299 89.632,36.236 ccw(c89.759,36.363) 89.886,36.236 89.9,36.25 89.914,36.264 cw(c90.042,36.137) 90.169,36.264 90.233,36.2 cw(c90.105,36.073) 90.233,35.946 90.218,35.932 90.204,35.917 ccw(c90.332,35.79) 90.204,35.663 90.268,35.599 ccw(c90.395,35.726) 90.523,35.599 90.537,35.613 90.551,35.627 cw(c90.678,35.5) 90.805,35.627 90.869,35.564 cw(c90.742,35.437) 90.869,35.309 90.855,35.295 90.841,35.281 ccw(c90.968,35.154) 90.841,35.026 90.904,34.963 ccw(c91.032,35.09) 91.159,34.963 91.173,34.977 91.187,34.991 cw(c91.314,34.864) 91.442,34.991 91.505,34.927 cw(c91.378,34.8) 91.505,34.673 91.491,34.659 91.477,34.645 ccw(c91.604,34.517) 91.477,34.39 91.541,34.326 ccw(c91.668,34.454) 91.795,34.326 91.809,34.341 91.824,34.355 cw(c91.951,34.227) 92.078,34.355 92.142,34.291 cw(c92.015,34.164) 92.142,34.037 92.128,34.022 92.113,34.008 ccw(c92.241,33.881) 92.113,33.754 92.177,33.69 ccw(c92.304,33.817) 92.432,33.69 92.446,33.704 92.46,33.718 cw(c92.587,33.591) 92.715,33.718 92.778,33.655 cw(c92.651,33.527) 92.778,33.4 92.764,33.386 92.75,33.372 ccw(c92.877,33.245) 92.75,33.117 92.814,33.054 ccw(c92.941,33.181) 93.068,33.054 93.082,33.068 93.096,33.082 cw(c93.224,32.955) 93.351,33.082 93.415,33.018 cw(c93.287,32.891) 93.415,32.764 93.4,32.75 93.386,32.735 ccw(c93.514,32.608) 93.386,32.481 93.45,32.417 ccw(c93.577,32.545) 93.704,32.417 93.733,32.446 cw(c93.86,32.318) 93.987,32.446 94.051,32.382 cw(c93.924,32.255) 94.051,32.127 94.037,32.113 94.023,32.099 ccw(c94.15,31.972) 94.023,31.844 94.086,31.781 ccw(c94.214,31.908) 94.341,31.781 94.355,31.795 94.369,31.809 cw(c94.496,31.682) 94.624,31.809 94.687,31.745 cw(c94.56,31.618) 94.687,31.491 94.673,31.477 94.659,31.463 ccw(c94.786,31.335) 94.659,31.208 94.723,31.144 ccw(c94.85,31.272) 94.977,31.144 94.991,31.159 95.006,31.173 cw(c95.133,31.045) 95.26,31.173 95.324,31.109 cw(c95.196,30.982) 95.324,30.855 95.31,30.84 95.295,30.826 ccw(c95.423,30.699) 95.295,30.572 95.359,30.508 ccw(c95.486,30.635) 95.614,30.508 95.628,30.522 95.642,30.536 cw(c95.769,30.409) 95.897,30.536 95.96,30.473 cw(c95.833,30.345) 95.96,30.218 ccw(c95.974,30.204) 95.96,30.19 95.96,29.69 104.143,21.507 104.143,20.632 104.474,20.301 105.62,20.301 105.777,20.458 106.387,20.458 v2(106.405,20.476) ; 105.94,20.458 ccw(c105.94,20.941) v2@106.281,20.6 ; 106.026,20.458 cw(c106.026,20.096) v2@106.281,20.352
RX1D1: U8.L6 U12-1.14 | length 65.7
  Top Layer w0.15: v1(58.5,45.5) U8.L6@59,46 ; v1@58.5,45.65 ccw(c58.5,46.012) 58.756,45.756 ccw(c59.012,45.5) v1@58.65,45.5 ; U8.L6@58.825,46 cw(c58.403,46) 58.701,45.701 cw(c59,45.403) U8.L6@59,45.825
  Top Layer w0.2: U12-1.14@108.207,20.638 v4@108.632,20.638 ; v4@108.586,20.567 ccw(c108.416,20.397) 108.416,20.638 ccw(c108.416,20.879) v4@108.586,20.709
  MidLayer1 w0.15: v1@58.5,45.35 cw(c58.5,44.988) 58.756,45.244 cw(c59.012,45.5) v1@58.65,45.5 ; v1(58.5,45.5) 60.125,43.875 60.817,43.875 61.217,43.475 62.067,43.475 62.117,43.425 62.883,43.425 62.908,43.45 76.75,43.45 79.65,40.55 82.7,40.55 93.65,29.6 93.65,28.85 94.03,28.47 94.03,28.375 94.279,28.126 94.374,28.126 102.949,19.551 106.912,19.551 107.999,20.638 v4(108.657,20.638) ; v4@108.569,20.55 ccw(c108.355,20.336) 108.355,20.638 ccw(c108.355,20.94) v4@108.569,20.726
RX1D2: U8.H3 U12-1.13 | length 66
  Top Layer w0.15: U8.H3@62,43 62.5,43.5 63.2,43.5 63.5,43.8 63.5,44.25 63.75,44.5 78.5,44.5 v1(80.2,42.8) ; U8.H3@62,43.175 ccw(c62,43.597) 62.299,43.299 ccw(c62.597,43) U8.H3@62.175,43 ; v1@80.05,42.8 ccw(c79.688,42.8) 79.944,43.056 ccw(c80.2,43.312) v1@80.2,42.95 ; v2(106.961,20.908) 106.981,20.888 U12-1.13@107.632,20.888 ; v2@107.085,20.784 cw(c107.335,20.534) 107.335,20.888 ; v2@107.085,21.032 ccw(c107.432,21.379) U12-1.13@107.432,20.888
  MidLayer1 w0.15: v1@80.2,42.65 cw(c80.2,42.288) 80.456,42.544 cw(c80.712,42.8) v1@80.35,42.8 ; v1(80.2,42.8) 80.8,42.2 85.1,42.2 96.375,30.925 96.375,30.175 100.551,25.999 ccw(c100.636,26.084) 100.721,25.999 cw(c100.848,25.871) 100.976,25.999 101.039,25.935 cw(c100.912,25.808) 101.039,25.681 100.954,25.596 100.869,25.511 ccw(c100.997,25.384) 100.869,25.256 100.933,25.193 ccw(c101.06,25.32) 101.188,25.193 101.357,25.362 cw(c101.485,25.235) 101.612,25.362 101.676,25.299 cw(c101.548,25.171) 101.676,25.044 101.506,24.874 ccw(c101.633,24.747) 101.506,24.62 101.57,24.556 ccw(c101.697,24.683) 101.824,24.556 101.909,24.641 101.994,24.726 cw(c102.121,24.599) 102.248,24.726 102.312,24.662 cw(c102.185,24.535) 102.312,24.408 102.142,24.238 ccw(c102.27,24.111) 102.142,23.983 102.206,23.92 ccw(c102.333,24.047) 102.46,23.92 102.545,24.005 102.63,24.09 cw(c102.757,23.962) 102.885,24.09 102.948,24.026 cw(c102.821,23.899) 102.948,23.771 102.779,23.602 ccw(c102.906,23.474) 102.779,23.347 102.842,23.283 ccw(c102.97,23.411) 103.097,23.283 103.182,23.368 103.267,23.453 cw(c103.394,23.326) 103.521,23.453 103.585,23.389 cw(c103.457,23.262) 103.585,23.135 103.415,22.965 ccw(c103.542,22.838) 103.415,22.711 103.479,22.647 ccw(c103.606,22.774) 103.733,22.647 103.903,22.817 cw(c104.03,22.689) 104.158,22.817 104.221,22.753 cw(c104.094,22.626) 104.221,22.499 104.136,22.414 104.051,22.329 ccw(c104.179,22.202) 104.051,22.074 104.115,22.011 ccw(c104.242,22.138) 104.37,22.011 104.539,22.18 cw(c104.667,22.053) 104.794,22.18 104.858,22.117 cw(c104.73,21.989) 104.858,21.862 104.773,21.777 104.688,21.692 ccw(c104.815,21.565) 104.688,21.438 104.751,21.374 ccw(c104.879,21.502) 105.006,21.374 cw(c105.091,21.289) 105.176,21.374 105.35,21.2 105.75,21.2 106.029,20.92 106.949,20.92 v2(106.961,20.908) ; 106.51,20.92 cw(c106.51,20.457) v2@106.837,20.784 ; 106.568,20.92 ccw(c106.568,21.302) v2@106.837,21.032